# Altium PCB Main_PCB.PcbDoc (part 3 of 13) (continued)
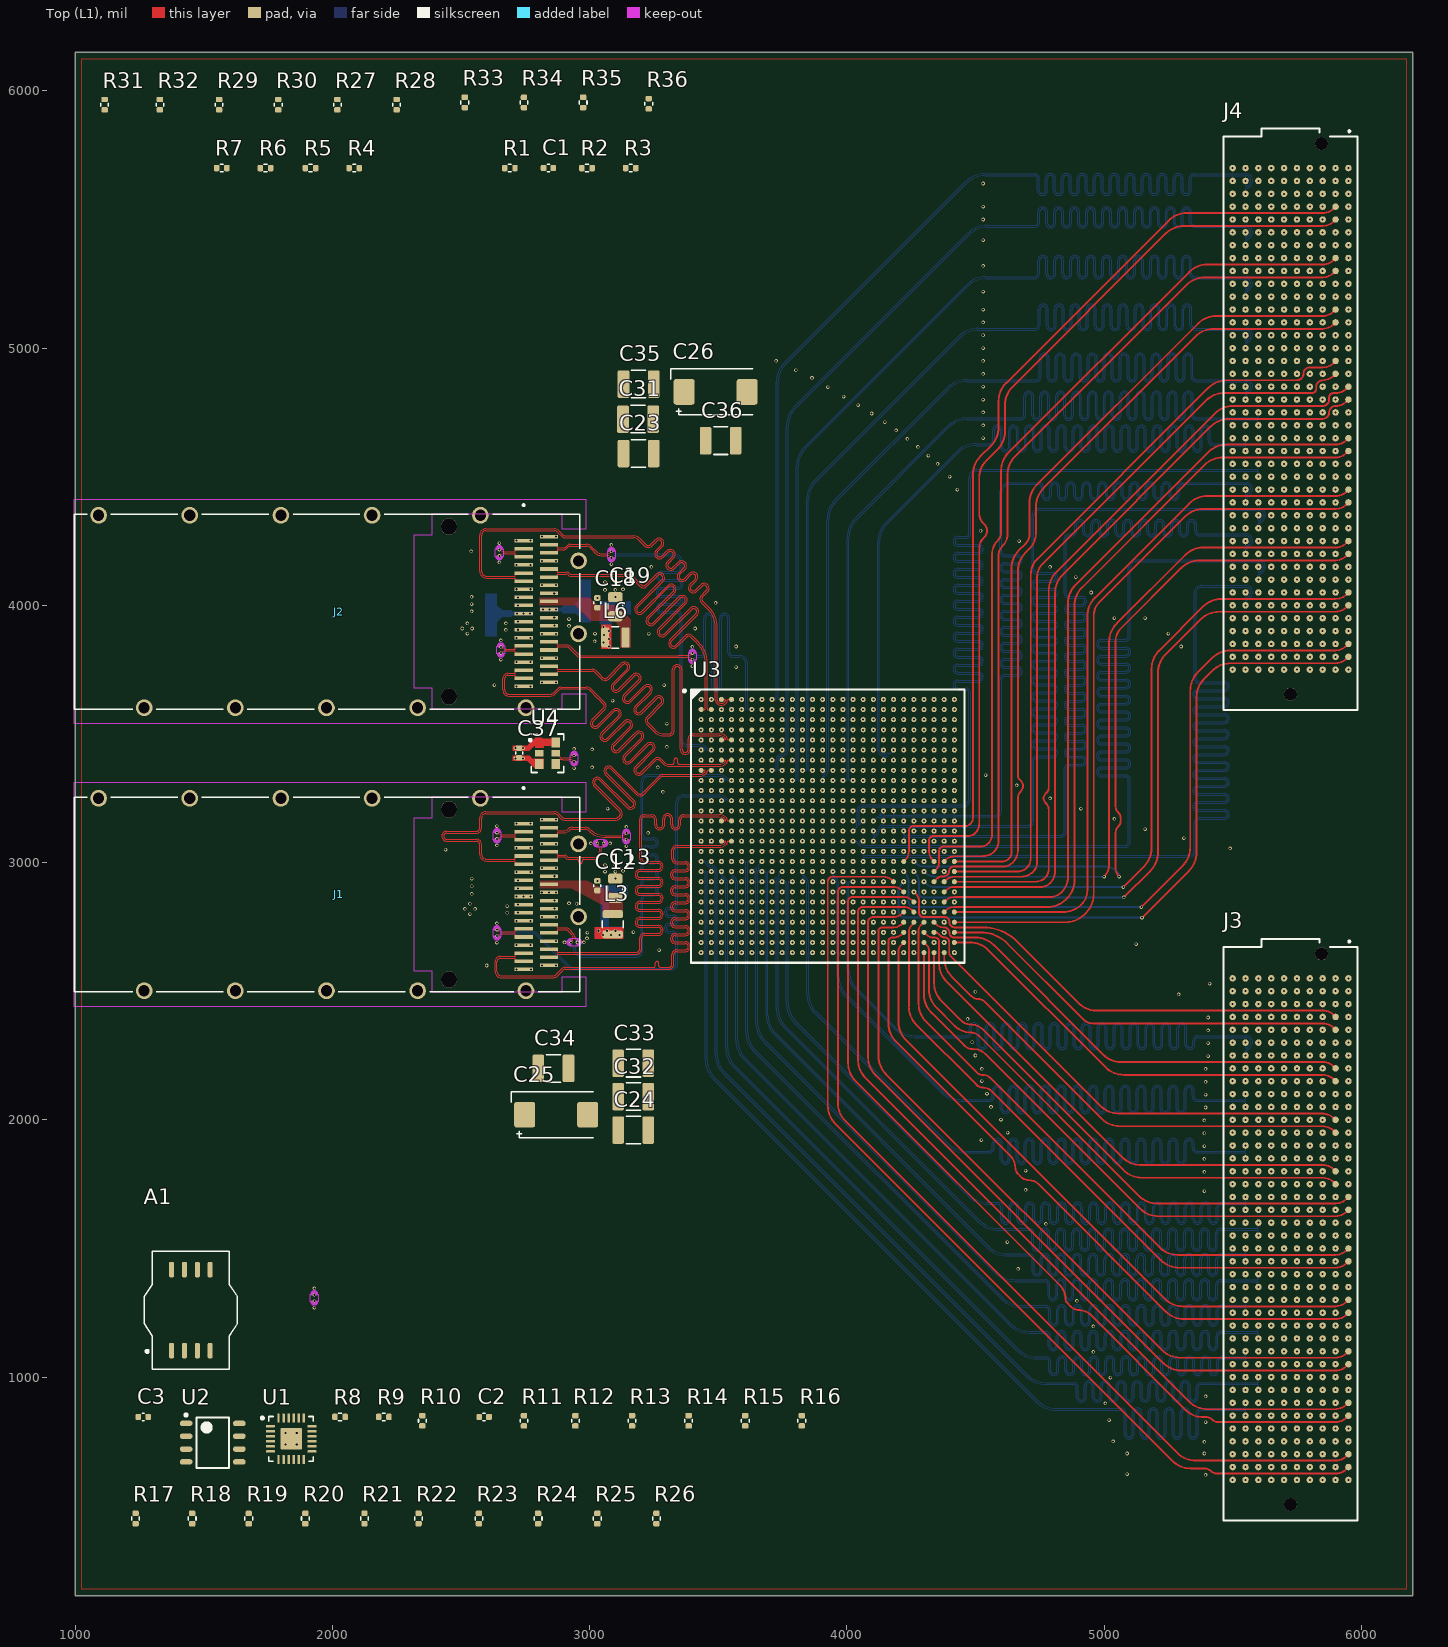
[diagram p0: Top (L1) view]
## Nets (pads, with @x,y where several pads share a name; then routed paths per layer and width w, separated by ;. In a path a pad name is that pad's centre, name@x,y a point inside that pad or via, vN(x,y) a via of type N, cw(c..) or ccw(c..) an arc to the next point about the centre after c; other vN are vias at no path point) (continued)
HPCC_A_15_N: J3.C39 U3.AE1 | length 3702.9
  Int2 (L3) w3.5: v1(3433.86,2689.37) 3433.86,2701.81 cw(c3437.36,2701.81) 3434.88,2704.28 cw(c3437.36,2701.81) 3437.36,2705.31 cw(c3437.36,2701.81) 3439.83,2704.28 cw(c3415.29,2679.73) 3450,2679.73 3450,2596.35 3450,2232.62 ccw(c3558.8,2232.62) 3481.87,2155.69 5060.88,576.67 ccw(c5085,600.79) 5085,566.68 5795.94,566.68 ccw(c5795.94,601.2) 5820.35,576.79 ccw(c5799.16,597.98) 5829.13,597.98 5829.13,633.61 cw(c5879.99,633.61) 5844.03,669.57 cw(c5846.5,667.1) 5846.5,670.6 cw(c5846.5,667.1) 5848.97,669.57 cw(c5846.5,667.1) 5850,667.1 v1(5850,650)
HPCC_A_15_P: J3.C38 U3.AD1 | length 3701.2
  Int2 (L3) w3.5: v1(3433.86,2728.74) 3433.86,2716.31 ccw(c3437.36,2716.31) 3434.88,2713.83 ccw(c3437.36,2716.31) 3437.36,2712.81 3437.41,2712.81 cw(c3437.41,2701.93) 3445.1,2709.62 3445.16,2709.56 cw(c3415.38,2679.77) 3457.5,2679.77 3457.5,2625 cw(c3454.36,2621.86) 3458.8,2621.86 3458.8,2232.62 ccw(c3558.8,2232.62) 3488.09,2161.91 5067.11,582.89 ccw(c5085,600.79) 5085,575.48 5795.94,575.48 ccw(c5795.94,601.2) 5814.13,583.02 ccw(c5799.16,597.98) 5820.33,597.98 5820.33,633.6 cw(c5880,633.6) 5837.8,675.8 cw(c5846.5,667.1) 5846.5,679.4 ccw(c5846.5,682.9) 5848.97,680.43 ccw(c5846.5,682.9) 5850,682.9 v1(5850,700)
HPCC_A_16_N: J3.D5 U3.AF20 | length 3688.5
  Int2 (L3) w3.5: v1(4181.89,2650) 4169.45,2650 ccw(c4169.45,2646.5) 4166.98,2648.97 ccw(c4169.46,2646.5) 4165.95,2646.5 ccw(c4196.02,2646.5) 4174.76,2625.24 4341.91,2458.09 ccw(c4412.62,2528.8) 4412.62,2428.8 4513.81,2428.8 4519.96,2428.8 ccw(c4519.96,2440.55) 4531.71,2440.55 4531.71,2450.17 cw(c4552.26,2450.17) 4572.81,2450.17 4572.81,2397.51 ccw(c4584.56,2397.51) 4596.31,2397.51 4596.31,2450.17 cw(c4616.86,2450.17) 4637.41,2450.17 4637.41,2397.51 ccw(c4649.16,2397.51) 4660.91,2397.51 4660.91,2450.17 cw(c4681.46,2450.17) 4702.01,2450.17 4702.01,2397.51 ccw(c4713.76,2397.51) 4725.51,2397.51 4725.51,2450.17 cw(c4746.06,2450.17) 4766.61,2450.17 4766.61,2397.51 ccw(c4778.36,2397.51) 4790.11,2397.51 4790.11,2450.17 cw(c4810.66,2450.17) 4831.21,2450.17 4831.21,2397.51 ccw(c4842.96,2397.51) 4854.71,2397.51 4854.71,2450.17 cw(c4875.26,2450.17) 4895.81,2450.17 4895.81,2397.51 ccw(c4907.56,2397.51) 4919.31,2397.51 4919.31,2450.17 cw(c4939.86,2450.17) 4960.41,2450.17 4960.41,2397.51 ccw(c4972.16,2397.51) 4983.91,2397.51 4983.91,2450.17 cw(c5004.46,2450.17) 5025.01,2450.17 5025.01,2397.51 ccw(c5036.76,2397.51) 5048.51,2397.51 5048.51,2450.17 cw(c5069.06,2450.17) 5089.61,2450.17 5089.61,2397.51 ccw(c5101.36,2397.51) 5113.11,2397.51 5113.11,2450.17 cw(c5133.66,2450.17) 5154.21,2450.17 5154.21,2397.51 ccw(c5165.96,2397.51) 5177.71,2397.51 5177.71,2450.17 cw(c5198.26,2450.17) 5218.81,2450.17 5218.81,2397.51 ccw(c5230.56,2397.51) 5242.31,2397.51 5242.31,2450.17 cw(c5262.86,2450.17) 5283.41,2450.17 5283.41,2397.51 ccw(c5295.16,2397.51) 5306.91,2397.51 5306.91,2450.17 cw(c5327.46,2450.17) 5348.01,2450.17 5348.01,2397.51 ccw(c5359.76,2397.51) 5371.51,2397.51 5371.51,2408.25 cw(c5392.06,2408.25) 5392.06,2428.8 5421.2,2428.8 5802.93,2428.8 cw(c5802.93,2402.93) 5821.22,2421.22 cw(c5802.93,2402.93) 5828.8,2402.93 5828.8,2400 cw(c5810.1,2400) 5823.33,2386.79 ; v1(5800,2350) 5800,2367.1 cw(c5803.5,2367.1) 5801.03,2369.57 cw(c5803.5,2367.1) 5803.5,2370.6 ccw(c5803.5,2379.4) 5809.72,2373.18 5823.32,2386.78
HPCC_A_16_P: J3.D4 U3.AF19 | length 3674
  Int2 (L3) w3.5: v1(4142.52,2650) 4154.95,2650 cw(c4154.95,2646.5) 4157.43,2648.97 cw(c4154.95,2646.5) 4158.45,2646.5 ; 4158.45,2646.46 ccw(c4195.93,2646.46) 4169.43,2619.96 4174.7,2614.7 ccw(c4179.13,2614.7) 4176,2611.56 4335.69,2451.87 ccw(c4412.62,2528.8) 4412.62,2420 4513.81,2420 4519.96,2420 ccw(c4519.96,2440.55) 4540.51,2440.55 4540.51,2450.17 cw(c4552.26,2450.17) 4564.01,2450.17 4564.01,2397.51 ccw(c4584.56,2397.51) 4605.11,2397.51 4605.11,2450.17 cw(c4616.86,2450.17) 4628.61,2450.17 4628.61,2397.51 ccw(c4649.16,2397.51) 4669.71,2397.51 4669.71,2450.17 cw(c4681.46,2450.17) 4693.21,2450.17 4693.21,2397.51 ccw(c4713.76,2397.51) 4734.31,2397.51 4734.31,2450.17 cw(c4746.06,2450.17) 4757.81,2450.17 4757.81,2397.51 ccw(c4778.36,2397.51) 4798.91,2397.51 4798.91,2450.17 cw(c4810.66,2450.17) 4822.41,2450.17 4822.41,2397.51 ccw(c4842.96,2397.51) 4863.51,2397.51 4863.51,2450.17 cw(c4875.26,2450.17) 4887.01,2450.17 4887.01,2397.51 ccw(c4907.56,2397.51) 4928.11,2397.51 4928.11,2450.17 cw(c4939.86,2450.17) 4951.61,2450.17 4951.61,2397.51 ccw(c4972.16,2397.51) 4992.71,2397.51 4992.71,2450.17 cw(c5004.46,2450.17) 5016.21,2450.17 5016.21,2397.51 ccw(c5036.76,2397.51) 5057.31,2397.51 5057.31,2450.17 cw(c5069.06,2450.17) 5080.81,2450.17 5080.81,2397.51 ccw(c5101.36,2397.51) 5121.91,2397.51 5121.91,2450.17 cw(c5133.66,2450.17) 5145.41,2450.17 5145.41,2397.51 ccw(c5165.96,2397.51) 5186.51,2397.51 5186.51,2450.17 cw(c5198.26,2450.17) 5210.01,2450.17 5210.01,2397.51 ccw(c5230.56,2397.51) 5251.11,2397.51 5251.11,2450.17 cw(c5262.86,2450.17) 5274.61,2450.17 5274.61,2397.51 ccw(c5295.16,2397.51) 5315.71,2397.51 5315.71,2450.17 cw(c5327.46,2450.17) 5339.21,2450.17 5339.21,2397.51 ccw(c5359.76,2397.51) 5380.31,2397.51 5380.31,2408.25 cw(c5392.06,2408.25) 5392.06,2420 5421.2,2420 5802.93,2420 cw(c5802.93,2402.93) 5815,2415 cw(c5802.93,2402.93) 5820,2402.93 5820,2400 cw(c5810.1,2400) 5817.11,2393.01 5803.5,2379.4 cw(c5803.5,2382.9) 5801.03,2380.43 cw(c5803.5,2382.9) 5800,2382.9 v1(5800,2400)
HPCC_A_17_N: J3.D9 U3.AF17 | length 3689.8
  Int2 (L3) w3.5: v1(4063.78,2650) 4063.78,2662.43 cw(c4067.28,2662.43) 4064.8,2664.91 cw(c4067.28,2662.44) 4067.28,2665.93 cw(c4067.28,2662.44) 4069.75,2664.91 cw(c4045.02,2640.17) 4080,2640.17 ; 4080,2640 4080,2614.48 ccw(c4181.22,2614.48) 4109.65,2542.91 4450.09,2202.47 ccw(c4527.02,2279.4) 4527.02,2170.6 4530.78,2170.6 4609.65,2170.6 cw(c4609.65,2158.85) 4621.4,2158.85 4621.4,2114.51 ccw(c4641.95,2114.51) 4662.5,2114.51 4662.5,2166.63 cw(c4674.25,2166.63) 4686,2166.63 4686,2114.51 ccw(c4706.55,2114.51) 4727.1,2114.51 4727.1,2166.63 cw(c4738.85,2166.63) 4750.6,2166.63 4750.6,2114.51 ccw(c4771.15,2114.51) 4791.7,2114.51 4791.7,2166.63 cw(c4803.45,2166.63) 4815.2,2166.63 4815.2,2114.51 ccw(c4835.75,2114.51) 4856.3,2114.51 4856.3,2166.63 cw(c4868.05,2166.63) 4879.8,2166.63 4879.8,2114.51 ccw(c4900.35,2114.51) 4920.9,2114.51 4920.9,2166.63 cw(c4932.65,2166.63) 4944.4,2166.63 4944.4,2114.51 ccw(c4964.95,2114.51) 4985.5,2114.51 4985.5,2166.63 cw(c4997.25,2166.63) 5009,2166.63 5009,2114.51 ccw(c5029.55,2114.51) 5050.1,2114.51 5050.1,2166.63 cw(c5061.85,2166.63) 5073.6,2166.63 5073.6,2114.51 ccw(c5094.15,2114.51) 5114.7,2114.51 5114.7,2166.63 cw(c5126.45,2166.63) 5138.2,2166.63 5138.2,2114.51 ccw(c5158.75,2114.51) 5179.3,2114.51 5179.3,2166.63 cw(c5191.05,2166.63) 5202.8,2166.63 5202.8,2114.51 ccw(c5223.35,2114.51) 5243.9,2114.51 5243.9,2166.63 cw(c5255.65,2166.63) 5267.4,2166.63 5267.4,2114.51 ccw(c5287.95,2114.51) 5308.5,2114.51 5308.5,2166.63 cw(c5320.25,2166.63) 5332,2166.63 5332,2114.51 ccw(c5352.55,2114.51) 5373.1,2114.51 5373.1,2158.85 cw(c5384.85,2158.85) 5384.85,2170.6 5391,2170.6 5796.5,2170.6 cw(c5796.5,2167.1) 5798.97,2169.57 cw(c5796.5,2167.1) 5800,2167.1 v1(5800,2150)
HPCC_A_17_P: J3.D8 U3.AE17 | length 3688.3
  Int2 (L3) w3.5: v1(4063.78,2689.37) 4063.78,2676.93 ccw(c4067.28,2676.93) 4064.8,2674.46 ccw(c4067.28,2676.94) 4067.28,2673.43 4067.33,2673.43 cw(c4067.33,2662.56) 4075.02,2670.25 4075.09,2670.19 cw(c4045.11,2640.21) 4087.5,2640.21 4087.5,2625 cw(c4084.36,2621.86) 4088.8,2621.86 4088.8,2614.48 ccw(c4181.22,2614.48) 4115.86,2549.14 4456.31,2208.69 ccw(c4527.02,2279.4) 4527.02,2179.4 4530.78,2179.4 4609.65,2179.4 cw(c4609.65,2158.85) 4630.2,2158.85 4630.2,2114.51 ccw(c4641.95,2114.51) 4653.7,2114.51 4653.7,2166.63 cw(c4674.25,2166.63) 4694.8,2166.63 4694.8,2114.51 ccw(c4706.55,2114.51) 4718.3,2114.51 4718.3,2166.63 cw(c4738.85,2166.63) 4759.4,2166.63 4759.4,2114.51 ccw(c4771.15,2114.51) 4782.9,2114.51 4782.9,2166.63 cw(c4803.45,2166.63) 4824,2166.63 4824,2114.51 ccw(c4835.75,2114.51) 4847.5,2114.51 4847.5,2166.63 cw(c4868.05,2166.63) 4888.6,2166.63 4888.6,2114.51 ccw(c4900.35,2114.51) 4912.1,2114.51 4912.1,2166.63 cw(c4932.65,2166.63) 4953.2,2166.63 4953.2,2114.51 ccw(c4964.95,2114.51) 4976.7,2114.51 4976.7,2166.63 cw(c4997.25,2166.63) 5017.8,2166.63 5017.8,2114.51 ccw(c5029.55,2114.51) 5041.3,2114.51 5041.3,2166.63 cw(c5061.85,2166.63) 5082.4,2166.63 5082.4,2114.51 ccw(c5094.15,2114.51) 5105.9,2114.51 5105.9,2166.63 cw(c5126.45,2166.63) 5147,2166.63 5147,2114.51 ccw(c5158.75,2114.51) 5170.5,2114.51 5170.5,2166.63 cw(c5191.05,2166.63) 5211.6,2166.63 5211.6,2114.51 ccw(c5223.35,2114.51) 5235.1,2114.51 5235.1,2166.63 cw(c5255.65,2166.63) 5276.2,2166.63 5276.2,2114.51 ccw(c5287.95,2114.51) 5299.7,2114.51 5299.7,2166.63 cw(c5320.25,2166.63) 5340.8,2166.63 5340.8,2114.51 ccw(c5352.55,2114.51) 5364.3,2114.51 5364.3,2158.85 cw(c5384.85,2158.85) 5384.85,2179.4 5391,2179.4 5796.5,2179.4 ccw(c5796.5,2182.9) 5798.97,2180.43 ccw(c5796.5,2182.9) 5800,2182.9 v1(5800,2200)
HPCC_A_18_N: J3.D13 U3.AE15 | length 3699.2
  Int2 (L3) w3.5: v1(3985.04,2689.37) 3985.04,2701.81 cw(c3988.54,2701.81) 3986.06,2704.28 cw(c3988.54,2701.81) 3988.54,2705.31 cw(c3988.54,2701.81) 3991.01,2704.28 cw(c3966.91,2680.17) 4001,2680.17 4001,2592.55 ; 4001,2591.35 4001,2581.62 ccw(c4109.8,2581.62) 4032.87,2504.69 4535.09,2002.47 ccw(c4612.02,2079.4) 4612.02,1970.6 4632.35,1970.6 4670.8,1970.6 cw(c4670.8,1958.85) 4682.55,1958.85 4682.55,1913.88 ccw(c4703.1,1913.88) 4723.65,1913.88 4723.65,1962.41 cw(c4735.4,1962.41) 4747.15,1962.41 4747.15,1913.88 ccw(c4767.7,1913.88) 4788.25,1913.88 4788.25,1962.41 cw(c4800,1962.41) 4811.75,1962.41 4811.75,1913.88 ccw(c4832.3,1913.88) 4852.85,1913.88 4852.85,1962.41 cw(c4864.6,1962.41) 4876.35,1962.41 4876.35,1913.88 ccw(c4896.9,1913.88) 4917.45,1913.88 4917.45,1962.41 cw(c4929.2,1962.41) 4940.95,1962.41 4940.95,1913.88 ccw(c4961.5,1913.88) 4982.05,1913.88 4982.05,1962.41 cw(c4993.8,1962.41) 5005.55,1962.41 5005.55,1913.88 ccw(c5026.1,1913.88) 5046.65,1913.88 5046.65,1962.41 cw(c5058.4,1962.41) 5070.15,1962.41 5070.15,1913.88 ccw(c5090.7,1913.88) 5111.25,1913.88 5111.25,1962.41 cw(c5123,1962.41) 5134.75,1962.41 5134.75,1913.88 ccw(c5155.3,1913.88) 5175.85,1913.88 5175.85,1962.41 cw(c5187.6,1962.41) 5199.35,1962.41 5199.35,1913.88 ccw(c5219.9,1913.88) 5240.45,1913.88 5240.45,1962.41 cw(c5252.2,1962.41) 5263.95,1962.41 5263.95,1913.88 ccw(c5284.5,1913.88) 5305.05,1913.88 5305.05,1962.41 cw(c5316.8,1962.41) 5328.55,1962.41 5328.55,1913.88 ccw(c5349.1,1913.88) 5369.65,1913.88 5369.65,1958.85 cw(c5381.4,1958.85) 5381.4,1970.6 5431,1970.6 5796.5,1970.6 cw(c5796.5,1967.1) 5798.97,1969.57 cw(c5796.5,1967.1) 5800,1967.1 v1(5800,1950)
HPCC_A_18_P: J3.D12 U3.AD15 | length 3698.7
  Int2 (L3) w3.5: v1(3985.04,2728.74) 3985.04,2716.31 ccw(c3988.54,2716.31) 3986.06,2713.83 ccw(c3988.54,2716.31) 3988.54,2712.81 3988.59,2712.81 cw(c3988.59,2701.93) 3996.28,2709.62 3996.34,2709.56 cw(c3967,2680.21) 4008.5,2680.21 4008.5,2625 cw(c4005.36,2621.86) 4009.8,2621.86 4009.8,2581.62 ccw(c4109.8,2581.62) 4039.09,2510.91 4541.31,2008.69 ccw(c4612.02,2079.4) 4612.02,1979.4 4632.35,1979.4 4670.8,1979.4 cw(c4670.8,1958.85) 4691.35,1958.85 4691.35,1913.88 ccw(c4703.1,1913.88) 4714.85,1913.88 4714.85,1962.41 cw(c4735.4,1962.41) 4755.95,1962.41 4755.95,1913.88 ccw(c4767.7,1913.88) 4779.45,1913.88 4779.45,1962.41 cw(c4800,1962.41) 4820.55,1962.41 4820.55,1913.88 ccw(c4832.3,1913.88) 4844.05,1913.88 4844.05,1962.41 cw(c4864.6,1962.41) 4885.15,1962.41 4885.15,1913.88 ccw(c4896.9,1913.88) 4908.65,1913.88 4908.65,1962.41 cw(c4929.2,1962.41) 4949.75,1962.41 4949.75,1913.88 ccw(c4961.5,1913.88) 4973.25,1913.88 4973.25,1962.41 cw(c4993.8,1962.41) 5014.35,1962.41 5014.35,1913.88 ccw(c5026.1,1913.88) 5037.85,1913.88 5037.85,1962.41 cw(c5058.4,1962.41) 5078.95,1962.41 5078.95,1913.88 ccw(c5090.7,1913.88) 5102.45,1913.88 5102.45,1962.41 cw(c5123,1962.41) 5143.55,1962.41 5143.55,1913.88 ccw(c5155.3,1913.88) 5167.05,1913.88 5167.05,1962.41 cw(c5187.6,1962.41) 5208.15,1962.41 5208.15,1913.88 ccw(c5219.9,1913.88) 5231.65,1913.88 5231.65,1962.41 cw(c5252.2,1962.41) 5272.75,1962.41 5272.75,1913.88 ccw(c5284.5,1913.88) 5296.25,1913.88 5296.25,1962.41 cw(c5316.8,1962.41) 5337.35,1962.41 5337.35,1913.88 ccw(c5349.1,1913.88) 5360.85,1913.88 5360.85,1958.85 cw(c5381.4,1958.85) 5381.4,1979.4 5431,1979.4 5796.5,1979.4 ccw(c5796.5,1982.9) 5798.97,1980.43 ccw(c5796.5,1982.9) 5800,1982.9 v1(5800,2000)
HPCC_A_19_N: J3.D17 U3.AF13 | length 3692
  Int2 (L3) w3.5: v1(3906.3,2650) 3906.3,2662.43 cw(c3909.8,2662.43) 3907.32,2664.91 cw(c3909.8,2662.44) 3909.8,2665.93 cw(c3909.8,2662.44) 3912.27,2664.91 cw(c3886.38,2639.01) 3923,2639.01 3923,2524.62 ccw(c4031.8,2524.62) 3954.87,2447.69 4600.09,1802.47 ccw(c4677.02,1879.4) 4677.02,1770.6 4695.86,1770.6 4734.31,1770.6 cw(c4734.31,1758.85) 4746.06,1758.85 4746.06,1713.76 ccw(c4766.61,1713.76) 4787.16,1713.76 4787.16,1760.64 cw(c4798.91,1760.64) 4810.66,1760.64 4810.66,1713.76 ccw(c4831.21,1713.76) 4851.76,1713.76 4851.76,1760.64 cw(c4863.51,1760.64) 4875.26,1760.64 4875.26,1713.76 ccw(c4895.81,1713.76) 4916.36,1713.76 4916.36,1760.64 cw(c4928.11,1760.64) 4939.86,1760.64 4939.86,1713.76 ccw(c4960.41,1713.76) 4980.96,1713.76 4980.96,1760.64 cw(c4992.71,1760.64) 5004.46,1760.64 5004.46,1713.76 ccw(c5025.01,1713.76) 5045.56,1713.76 5045.56,1760.64 cw(c5057.31,1760.64) 5069.06,1760.64 5069.06,1713.76 ccw(c5089.61,1713.76) 5110.16,1713.76 5110.16,1760.64 cw(c5121.91,1760.64) 5133.66,1760.64 5133.66,1713.76 ccw(c5154.21,1713.76) 5174.76,1713.76 5174.76,1760.64 cw(c5186.51,1760.64) 5198.26,1760.64 5198.26,1713.76 ccw(c5218.81,1713.76) 5239.36,1713.76 5239.36,1760.64 cw(c5251.11,1760.64) 5262.86,1760.64 5262.86,1713.76 ccw(c5283.41,1713.76) 5303.96,1713.76 5303.96,1760.64 cw(c5315.71,1760.64) 5327.46,1760.64 5327.46,1713.76 ccw(c5348.01,1713.76) 5368.56,1713.76 5368.56,1758.85 cw(c5380.31,1758.85) 5380.31,1770.6 5434,1770.6 5796.5,1770.6 cw(c5796.5,1767.1) 5798.97,1769.57 cw(c5796.5,1767.1) 5800,1767.1 v1(5800,1750)
HPCC_A_19_P: J3.D16 U3.AE13 | length 3690.3
  Int2 (L3) w3.5: v1(3906.3,2689.37) 3906.3,2676.93 ccw(c3909.8,2676.93) 3907.32,2674.46 ccw(c3909.8,2676.94) 3909.8,2673.43 3909.85,2673.43 cw(c3909.85,2662.56) 3917.54,2670.25 3917.6,2670.19 cw(c3886.47,2639.05) 3930.5,2639.05 3930.5,2625 cw(c3927.36,2621.86) 3931.8,2621.86 3931.8,2524.62 ccw(c4031.8,2524.62) 3961.09,2453.91 4606.31,1808.69 ccw(c4677.02,1879.4) 4677.02,1779.4 4695.86,1779.4 4734.31,1779.4 cw(c4734.31,1758.85) 4754.86,1758.85 4754.86,1713.76 ccw(c4766.61,1713.76) 4778.36,1713.76 4778.36,1760.64 cw(c4798.91,1760.64) 4819.46,1760.64 4819.46,1713.76 ccw(c4831.21,1713.76) 4842.96,1713.76 4842.96,1760.64 cw(c4863.51,1760.64) 4884.06,1760.64 4884.06,1713.76 ccw(c4895.81,1713.76) 4907.56,1713.76 4907.56,1760.64 cw(c4928.11,1760.64) 4948.66,1760.64 4948.66,1713.76 ccw(c4960.41,1713.76) 4972.16,1713.76 4972.16,1760.64 cw(c4992.71,1760.64) 5013.26,1760.64 5013.26,1713.76 ccw(c5025.01,1713.76) 5036.76,1713.76 5036.76,1760.64 cw(c5057.31,1760.64) 5077.86,1760.64 5077.86,1713.76 ccw(c5089.61,1713.76) 5101.36,1713.76 5101.36,1760.64 cw(c5121.91,1760.64) 5142.46,1760.64 5142.46,1713.76 ccw(c5154.21,1713.76) 5165.96,1713.76 5165.96,1760.64 cw(c5186.51,1760.64) 5207.06,1760.64 5207.06,1713.76 ccw(c5218.81,1713.76) 5230.56,1713.76 5230.56,1760.64 cw(c5251.11,1760.64) 5271.66,1760.64 5271.66,1713.76 ccw(c5283.41,1713.76) 5295.16,1713.76 5295.16,1760.64 cw(c5315.71,1760.64) 5336.26,1760.64 5336.26,1713.76 ccw(c5348.01,1713.76) 5359.76,1713.76 5359.76,1758.85 cw(c5380.31,1758.85) 5380.31,1779.4 5434,1779.4 5796.5,1779.4 ccw(c5796.5,1782.9) 5798.97,1780.43 ccw(c5796.5,1782.9) 5800,1782.9 v1(5800,1800)
HPCC_A_20_N: J3.D21 U3.AB10 | length 3563.2
  Int7 (L8) w3.5: v1(3788.19,2807.48) 3788.19,2819.92 cw(c3791.69,2819.92) 3789.21,2822.39 cw(c3791.69,2819.92) 3791.69,2823.42 cw(c3791.69,2819.92) 3794.16,2822.39 cw(c3770.42,2798.64) 3804,2798.64 3804,2468.62 ccw(c3912.8,2468.62) 3835.87,2391.69 4625.09,1602.47 ccw(c4702.02,1679.4) 4702.02,1570.6 4888.85,1570.6 4927.3,1570.6 cw(c4927.3,1558.85) 4939.05,1558.85 4939.05,1522.37 ccw(c4959.6,1522.37) 4980.15,1522.37 4980.15,1559.95 cw(c4991.9,1559.95) 5003.65,1559.95 5003.65,1522.37 ccw(c5024.2,1522.37) 5044.75,1522.37 5044.75,1559.95 cw(c5056.5,1559.95) 5068.25,1559.95 5068.25,1522.37 ccw(c5088.8,1522.37) 5109.35,1522.37 5109.35,1559.95 cw(c5121.1,1559.95) 5132.85,1559.95 5132.85,1522.37 ccw(c5153.4,1522.37) 5173.95,1522.37 5173.95,1559.95 cw(c5185.7,1559.95) 5197.45,1559.95 5197.45,1522.37 ccw(c5218,1522.37) 5238.55,1522.37 5238.55,1559.95 cw(c5250.3,1559.95) 5262.05,1559.95 5262.05,1522.37 ccw(c5282.6,1522.37) 5303.15,1522.37 5303.15,1559.95 cw(c5314.9,1559.95) 5326.65,1559.95 5326.65,1522.37 ccw(c5347.2,1522.37) 5367.75,1522.37 5367.75,1558.85 cw(c5379.5,1558.85) 5379.5,1570.6 5408.43,1570.6 5796.5,1570.6 cw(c5796.5,1567.1) 5798.97,1569.57 cw(c5796.5,1567.1) 5800,1567.1 v1(5800,1550)
HPCC_A_20_P: J3.D20 U3.AA10 | length 3561.5
  Int7 (L8) w3.5: v1(3788.19,2846.85) 3788.19,2834.42 ccw(c3791.69,2834.42) 3789.21,2831.94 ccw(c3791.69,2834.42) 3791.69,2830.92 3791.74,2830.92 cw(c3791.74,2820.04) 3799.43,2827.73 3799.54,2827.62 cw(c3770.67,2798.75) 3811.5,2798.75 3811.5,2625 cw(c3808.36,2621.86) 3812.8,2621.86 3812.8,2468.62 ccw(c3912.8,2468.62) 3842.09,2397.91 4631.31,1608.69 ccw(c4702.02,1679.4) 4702.02,1579.4 4888.85,1579.4 4927.3,1579.4 cw(c4927.3,1558.85) 4947.85,1558.85 4947.85,1522.37 ccw(c4959.6,1522.37) 4971.35,1522.37 4971.35,1559.95 cw(c4991.9,1559.95) 5012.45,1559.95 5012.45,1522.37 ccw(c5024.2,1522.37) 5035.95,1522.37 5035.95,1559.95 cw(c5056.5,1559.95) 5077.05,1559.95 5077.05,1522.37 ccw(c5088.8,1522.37) 5100.55,1522.37 5100.55,1559.95 cw(c5121.1,1559.95) 5141.65,1559.95 5141.65,1522.37 ccw(c5153.4,1522.37) 5165.15,1522.37 5165.15,1559.95 cw(c5185.7,1559.95) 5206.25,1559.95 5206.25,1522.37 ccw(c5218,1522.37) 5229.75,1522.37 5229.75,1559.95 cw(c5250.3,1559.95) 5270.85,1559.95 5270.85,1522.37 ccw(c5282.6,1522.37) 5294.35,1522.37 5294.35,1559.95 cw(c5314.9,1559.95) 5335.45,1559.95 5335.45,1522.37 ccw(c5347.2,1522.37) 5358.95,1522.37 5358.95,1558.85 cw(c5379.5,1558.85) 5379.5,1579.4 5408.43,1579.4 5796.5,1579.4 ccw(c5796.5,1582.9) 5798.97,1580.43 ccw(c5796.5,1582.9) 5800,1582.9 v1(5800,1600)
HPCC_A_21_N: J3.D25 U3.AD8 | length 3572.2
  Int7 (L8) w3.5: v1(3709.45,2728.74) 3709.45,2741.18 cw(c3712.95,2741.18) 3714.96,2744.04 3718.47,2741.58 cw(c3709.45,2728.74) 3725.13,2728.4 ccw(c3728.88,2728.35) 3725.13,2728.34 ; 3725.13,2728.31 ccw(c3736.13,2728.24) 3725.13,2728.24 3725.13,2694.23 3725.14,2689.38 cw(c3709.45,2689.37) 3725.13,2689.09 ccw(c3736.13,2688.9) 3725.13,2688.9 3725.13,2650.42 ccw(c3736.13,2650.47) 3725.13,2650.31 cw(c3709.45,2650) 3725.13,2649.69 ccw(c3736.13,2649.53) 3725.13,2649.58 3725.13,2432.49 ccw(c3833.93,2432.49) 3757,2355.56 4710.09,1402.47 ccw(c4787.02,1479.4) 4787.02,1370.6 5018,1370.6 5056.45,1370.6 cw(c5056.45,1358.85) 5068.2,1358.85 5068.2,1308.99 ccw(c5088.75,1308.99) 5109.3,1308.99 5109.3,1359.2 cw(c5121.05,1359.2) 5132.8,1359.2 5132.8,1308.99 ccw(c5153.35,1308.99) 5173.9,1308.99 5173.9,1359.2 cw(c5185.65,1359.2) 5197.4,1359.2 5197.4,1308.99 ccw(c5217.95,1308.99) 5238.5,1308.99 5238.5,1359.2 cw(c5250.25,1359.2) 5262,1359.2 5262,1308.99 ccw(c5282.55,1308.99) 5303.1,1308.99 5303.1,1359.2 cw(c5314.85,1359.2) 5326.6,1359.2 5326.6,1308.99 ccw(c5347.15,1308.99) 5367.7,1308.99 5367.7,1358.85 cw(c5379.45,1358.85) 5379.45,1370.6 5411,1370.6 5796.5,1370.6 cw(c5796.5,1367.1) 5798.97,1369.57 cw(c5796.5,1367.1) 5800,1367.1 v1(5800,1350)
HPCC_A_21_P: J3.D24 U3.AC8 | length 3570.5
  Int7 (L8) w3.5: v1(3709.45,2768.11) 3709.45,2755.68 ccw(c3712.95,2755.68) 3712.95,2752.18 cw(c3712.95,2741.18) 3719.27,2750.18 3722.78,2747.71 cw(c3709.45,2728.74) 3732.63,2728.31 ; 3732.63,2728.24 3732.63,2694.25 3732.64,2689.39 cw(c3709.45,2689.37) 3732.63,2688.96 ccw(c3736.13,2688.9) 3732.63,2688.9 3732.63,2650.45 cw(c3709.45,2650) 3732.63,2649.56 3732.63,2625 cw(c3729.49,2621.86) 3733.93,2621.86 3733.93,2432.49 ccw(c3833.93,2432.49) 3763.22,2361.78 4716.31,1408.69 ccw(c4787.02,1479.4) 4787.02,1379.4 5018,1379.4 5056.45,1379.4 cw(c5056.45,1358.85) 5077,1358.85 5077,1308.99 ccw(c5088.75,1308.99) 5100.5,1308.99 5100.5,1359.2 cw(c5121.05,1359.2) 5141.6,1359.2 5141.6,1308.99 ccw(c5153.35,1308.99) 5165.1,1308.99 5165.1,1359.2 cw(c5185.65,1359.2) 5206.2,1359.2 5206.2,1308.99 ccw(c5217.95,1308.99) 5229.7,1308.99 5229.7,1359.2 cw(c5250.25,1359.2) 5270.8,1359.2 5270.8,1308.99 ccw(c5282.55,1308.99) 5294.3,1308.99 5294.3,1359.2 cw(c5314.85,1359.2) 5335.4,1359.2 5335.4,1308.99 ccw(c5347.15,1308.99) 5358.9,1308.99 5358.9,1358.85 cw(c5379.45,1358.85) 5379.45,1379.4 5411,1379.4 5796.5,1379.4 ccw(c5796.5,1382.9) 5798.97,1380.43 ccw(c5796.5,1382.9) 5800,1382.9 v1(5800,1400)
HPCC_A_22_N: J3.D29 U3.AC6 | length 3571.8
  Int7 (L8) w3.5: v1(3630.71,2768.11) 3630.71,2780.55 cw(c3634.21,2780.55) 3636.22,2783.41 3639.73,2780.95 cw(c3630.71,2768.11) 3646.39,2767.87 3646.39,2729.39 ; 3646.39,2729.36 3646.4,2728.77 3646.4,2376.23 ccw(c3755.2,2376.23) 3678.26,2299.29 4775.09,1202.47 ccw(c4852.02,1279.4) 4852.02,1170.6 5082,1170.6 5120.45,1170.6 cw(c5120.45,1158.85) 5132.2,1158.85 5132.2,1121.68 ccw(c5152.75,1121.68) 5173.3,1121.68 5173.3,1159.94 cw(c5185.05,1159.94) 5196.8,1159.94 5196.8,1121.68 ccw(c5217.35,1121.68) 5237.9,1121.68 5237.9,1159.94 cw(c5249.65,1159.94) 5261.4,1159.94 5261.4,1121.68 ccw(c5281.95,1121.68) 5302.5,1121.68 5302.5,1159.94 cw(c5314.25,1159.94) 5326,1159.94 5326,1121.68 ccw(c5346.55,1121.68) 5367.1,1121.68 5367.1,1158.85 cw(c5378.85,1158.85) 5378.85,1170.6 5406.65,1170.6 5796.5,1170.6 cw(c5796.5,1167.1) 5798.97,1169.57 cw(c5796.5,1167.1) 5800,1167.1 v1(5800,1150)
HPCC_A_22_P: J3.D28 U3.AB6 | length 3570.1
  Int7 (L8) w3.5: v1(3630.71,2807.48) 3630.71,2795.05 ccw(c3634.21,2795.05) 3634.21,2791.55 cw(c3634.21,2780.55) 3640.53,2789.55 3644.08,2787.05 cw(c3630.71,2768.11) 3653.89,2767.82 3653.89,2729.39 3653.9,2728.77 3653.9,2625 cw(c3650.76,2621.86) 3655.2,2621.86 3655.2,2376.23 ccw(c3755.2,2376.23) 3684.48,2305.52 4781.31,1208.69 ccw(c4852.02,1279.4) 4852.02,1179.4 5082,1179.4 5120.45,1179.4 cw(c5120.45,1158.85) 5141,1158.85 5141,1121.68 ccw(c5152.75,1121.68) 5164.5,1121.68 5164.5,1159.94 cw(c5185.05,1159.94) 5205.6,1159.94 5205.6,1121.68 ccw(c5217.35,1121.68) 5229.1,1121.68 5229.1,1159.94 cw(c5249.65,1159.94) 5270.2,1159.94 5270.2,1121.68 ccw(c5281.95,1121.68) 5293.7,1121.68 5293.7,1159.94 cw(c5314.25,1159.94) 5334.8,1159.94 5334.8,1121.68 ccw(c5346.55,1121.68) 5358.3,1121.68 5358.3,1158.85 cw(c5378.85,1158.85) 5378.85,1179.4 5406.65,1179.4 5796.5,1179.4 ccw(c5796.5,1182.9) 5798.97,1180.43 ccw(c5796.5,1182.9) 5800,1182.9 v1(5800,1200)
HPCC_A_23_N: J3.D33 U3.AC3 | length 3578.6
  Int7 (L8) w3.5: v1(3512.6,2768.11) 3525.03,2768.11 3525.26,2768.08 cw(c3524.8,2764.61) 3528.24,2765.24 3528.73,2762.6 ccw(c3539.55,2764.59) 3530.49,2758.35 3530.53,2758.29 3532.98,2754.81 ccw(c3551.97,2768.11) 3548.3,2745.22 3554.45,2744.23 cw(c3551.97,2728.74) 3567.66,2728.74 3567.66,2650 cw(c3551.97,2650) 3567.64,2649.24 3567.53,2647.05 ; 3567.53,2647.01 3567.53,2310.09 ccw(c3676.33,2310.09) 3599.4,2233.16 4830.09,1002.47 ccw(c4907.02,1079.4) 4907.02,970.6 5081,970.6 5119.45,970.6 cw(c5119.45,958.85) 5131.2,958.85 5131.2,945.63 ccw(c5151.75,945.63) 5172.3,945.63 5172.3,960.12 cw(c5184.05,960.12) 5195.8,960.12 5195.8,945.63 ccw(c5216.35,945.63) 5236.9,945.63 5236.9,960.12 cw(c5248.65,960.12) 5260.4,960.12 5260.4,945.63 ccw(c5280.95,945.63) 5301.5,945.63 5301.5,960.12 cw(c5313.25,960.12) 5325,960.12 5325,945.63 ccw(c5345.55,945.63) 5366.1,945.63 5366.1,958.85 cw(c5377.85,958.85) 5377.85,970.6 5421,970.6 5796.5,970.6 cw(c5796.5,967.1) 5798.97,969.57 cw(c5796.5,967.1) 5800,967.1 v1(5800,950)
HPCC_A_23_P: J3.D32 U3.AC4 | length 3565.3
  Int7 (L8) w3.5: 3536.67,2762.6 cw(c3539.55,2764.59) 3539.15,2768.07 3539.53,2768.11 v1(3551.97,2768.11) ; 3536.69,2762.57 3539.11,2759.12 ccw(c3551.97,2768.11) 3549.49,2752.62 3555.64,2751.63 cw(c3551.97,2728.74) 3575.16,2728.74 3575.16,2650 cw(c3551.97,2650) 3575.05,2647.82 3575.05,2647.76 ccw(c3578.54,2647.55) 3575.04,2647.5 3575.04,2647.28 ; 3575.04,2647.23 3575.04,2645 3575.03,2625 cw(c3571.89,2621.86) 3576.33,2621.86 3576.33,2310.09 ccw(c3676.33,2310.09) 3605.62,2239.38 4836.31,1008.69 ccw(c4907.02,1079.4) 4907.02,979.4 5081,979.4 5119.45,979.4 cw(c5119.45,958.85) 5140,958.85 5140,945.63 ccw(c5151.75,945.63) 5163.5,945.63 5163.5,960.12 cw(c5184.05,960.12) 5204.6,960.12 5204.6,945.63 ccw(c5216.35,945.63) 5228.1,945.63 5228.1,960.12 cw(c5248.65,960.12) 5269.2,960.12 5269.2,945.63 ccw(c5280.95,945.63) 5292.7,945.63 5292.7,960.12 cw(c5313.25,960.12) 5333.8,960.12 5333.8,945.63 ccw(c5345.55,945.63) 5357.3,945.63 5357.3,958.85 cw(c5377.85,958.85) 5377.85,979.4 5421,979.4 5796.5,979.4 ccw(c5796.5,982.9) 5798.97,980.43 ccw(c5796.5,982.9) 5800,982.9 v1(5800,1000)
HPCC_A_24_N: J3.D37 U3.AC2 | length 3590.3
  Int7 (L8) w3.5: v1(3473.23,2768.11) 3473.23,2780.55 cw(c3476.73,2780.55) 3474.25,2783.02 cw(c3476.73,2780.55) 3476.73,2784.05 cw(c3476.73,2780.55) 3479.2,2783.02 cw(c3455.55,2759.37) 3489,2759.37 3489,2253.62 ccw(c3597.8,2253.62) 3520.87,2176.69 4895.09,802.47 ccw(c4972.02,879.4) 4972.02,770.6 5209,770.6 5247.45,770.6 cw(c5247.45,758.85) 5259.2,758.85 5259.2,758.52 ccw(c5279.75,758.52) 5300.3,758.52 5300.3,759.39 cw(c5312.05,759.39) 5323.8,759.39 5323.8,758.52 ccw(c5344.35,758.52) 5364.9,758.52 5364.9,758.85 cw(c5376.65,758.85) 5376.65,770.6 5424,770.6 5796.5,770.6 cw(c5796.5,767.1) 5798.97,769.57 cw(c5796.5,767.1) 5800,767.1 v1(5800,750)
HPCC_A_24_P: J3.D36 U3.AB2 | length 3588.6
  Int7 (L8) w3.5: v1(3473.23,2807.48) 3473.23,2795.05 ccw(c3476.73,2795.05) 3474.25,2792.57 ccw(c3476.73,2795.05) 3476.73,2791.55 3476.78,2791.55 cw(c3476.78,2780.67) 3484.47,2788.36 3484.53,2788.3 cw(c3455.65,2759.41) 3496.5,2759.41 3496.5,2625 cw(c3493.36,2621.86) 3497.8,2621.86 3497.8,2253.62 ccw(c3597.8,2253.62) 3527.09,2182.91 4901.31,808.69 ccw(c4972.02,879.4) 4972.02,779.4 5209,779.4 5247.45,779.4 cw(c5247.45,758.85) 5268,758.85 5268,758.52 ccw(c5279.75,758.52) 5291.5,758.52 5291.5,759.39 cw(c5312.05,759.39) 5332.6,759.39 5332.6,758.52 ccw(c5344.35,758.52) 5356.1,758.52 5356.1,758.85 cw(c5376.65,758.85) 5376.65,779.4 5424,779.4 5796.5,779.4 ccw(c5796.5,782.9) 5798.97,780.43 ccw(c5796.5,782.9) 5800,782.9 v1(5800,800)